# Altium PCB COPY 1.PcbDoc (part 2 of 2)
Units mil, origin at the board's own origin, x right, y up, seen from the top; angles counter-clockwise.
Board outline 15070 x 12950 mil, 2 copper layers (Top Layer, Bottom Layer), stack 21 mil thick; 221 components, 155 nets, 921 pads, 10 vias.
Unrouted connection lines stored in the file: 394.
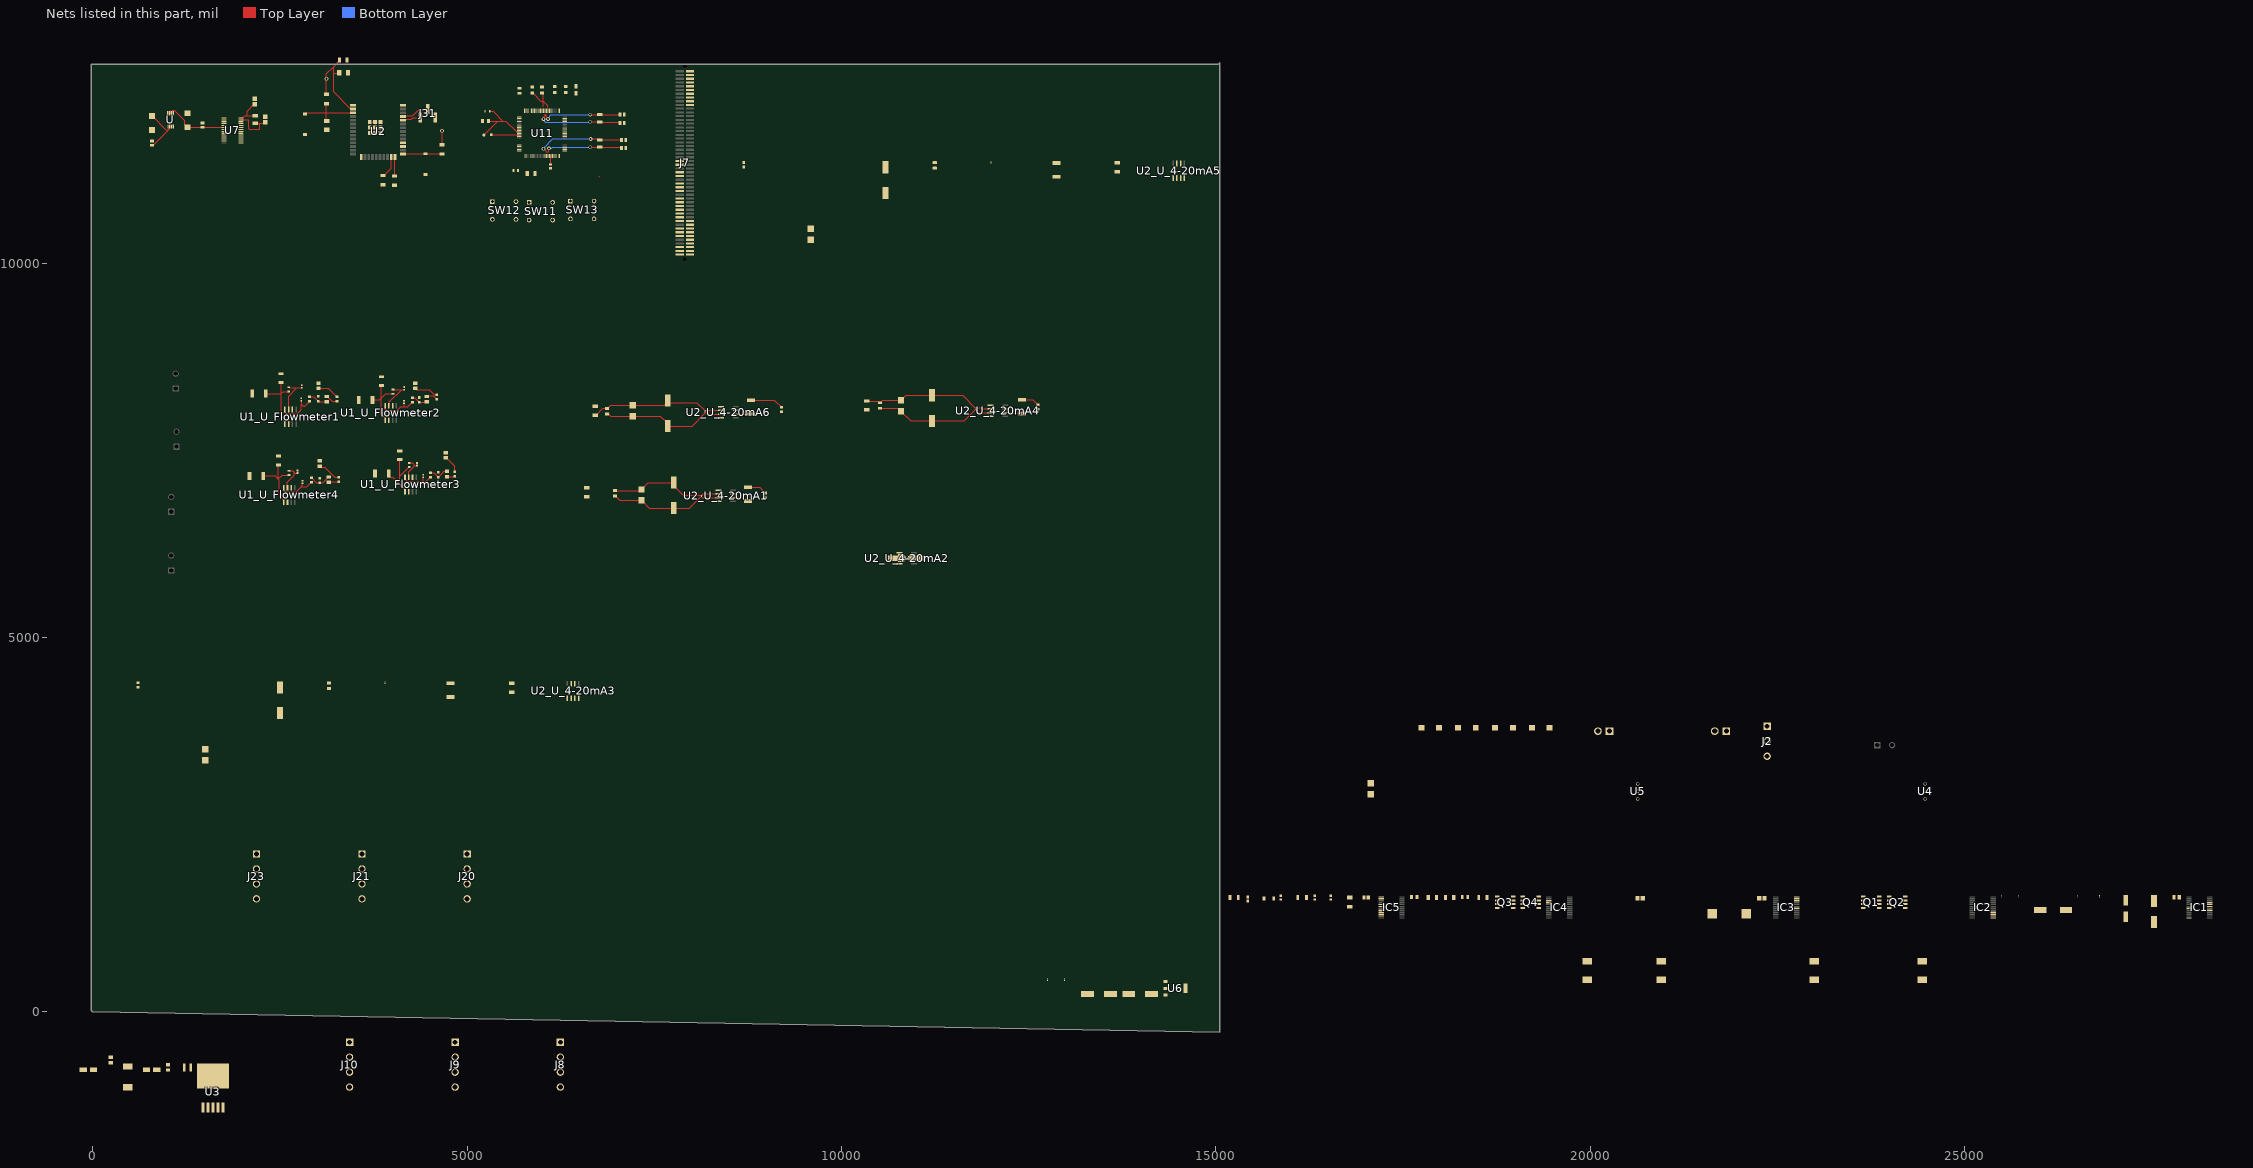
[diagram p2: the nets of this part, all layers, seen from the top]

## Part data (continued)
C5 C6: library part CMP-1037-04202-2, "CAP, Ceramic, 0.1 uF, +/- 10%, 50 V, -55 to 125 degC, 1206 (3216 Metric), RoHS, Tape and Reel", Capacitance=0.1µF, Capacitance Tolerance=±10%, Capacitor Case Style=1206[3216Metric], Dielectric Characteristic=X7R, Manufacturer=Kemet, Operating Temperature Max=125degC, Operating Temperature Min=-55degC, Package Description="2-Leads SMD, Body 3.2 x 1.6 mm", Package Reference=1206-2, Voltage Rating=50V, Datasheet URL=https://datasheet.ciiva.com/6125/1725438-6125494.pdf, Datasheet Version=Jul-13, Manufacturer URL=http://www.kemet.com/, Packaging=Tape&Reel, Product Range=KEMET-CSeries, SVHC=ToBeAdvised
C8: library part CMP-2000-05863-1, "Chip Capacitor, 10 uF, +/- 10%, 25 V, -55 to 85 degC, 1206 (3216 Metric), RoHS, Tape and Reel", Capacitance=10µF, Case Size/Dimension=1206, Dielectric=X5R, Manufacturer=AVX, Package Description="2-Pin Surface Mount Device, Body 3.2 x 1.6 mm", Rated Voltage=25V, Tolerance (%)=±10%, Datasheet URL=http://datasheets.avx.com/cx5r.pdf, Datasheet Version=05/2016, Manufacturer URL=http://www.avx.com/, Mounting Technology=SurfaceMount, Package Reference=1206
C9 C10: "CAP ALUM 47UF 20% 16V SMD", Package="RADIAL-2 Panasonic", Supplier Part Number 1=667-EEE-FN1C470UR, Availability="In Stock", Check_prices=https://www.snapeda.com/parts/EEE-FN1C470UR/Panasonic/view-part/6178044/?ref=eda, MF="Panasonic Electronic Components", MP=EEE-FN1C470UR, Price=None, Purchase-URL=https://pricing.snapeda.com/search/part/EEE-FN1C470UR/?ref=eda, SnapEDA_Link=https://www.snapeda.com/parts/EEE-FN1C470UR/Panasonic/view-part/6178044/?ref=snap, Supplier 1=Mouser
C11: library part CMP-05428-000019-1, "CAP ALUM POLY 22UF 20% 35V SMD", Capacitance=22uF, Case/Package=Radial, ESR (Equivalent Series Resistance)=35mR, Leakage Current=154uA, Max Operating Temperature=105°C, Min Operating Temperature=-55°C, Package Quantity=1000, Ripple Current=2.6A, Tolerance=20%, Voltage=35V, Diameter=6.3mm, Dissipation Factor=12%, Height=5.9mm, Height - Seated (Max)=0.236inch, Length=5.9mm, Life (Hours)=5000Hour, Mount="Surface Mount", Number of Pins=6, Packaging="Tape and Reel", Polarity=Polar, REACH SVHC="No SVHC", Ripple Current (AC)=2.6A, Termination=SMD/SMT, Voltage Rating=35V, Voltage Rating (DC)=35V
C12: library part CMP-05427-000013-1, "CAP ALUM 220UF 20% 25V SMD", Capacitance=220uF, Leakage Current=55uA, Manufacturer=Panasonic, Package=HAF, Ripple Current=160mA, Temperature="-40°C to +105°C", Temperature Range High=+105°C, Temperature Range Low=-40°C, Tolerance=20%, Voltage=25V, Automotive=No, Category=Cap, ComponentLink2Description=Datasheet, ComponentLink2URL=https://industrial.panasonic.com/cdbs/www-data/pdf/RDE0000/ABA0000C1151.pdf, Device Class L1="Passive Components", Device Class L2=Capacitors, Device Class L3="Aluminum Electrolytic Capacitors", Digikey Description="CAP ALUM 220UF 20% 25V SMD", Dissipation Factor=16%, Height=10.5mm, Lead Free=Yes, Life=1000Hours, Manufacturer Part Number=EEE-HA1E221UP, Material=Aluminum, Mouser Description="Aluminum Electrolytic Capacitors - SMD 220UF 25V ELECT HA SMD", Octopart=https://octopart.com/eee-ha1e221up-panasonic-39481261, RoHS=TRUE, Voltage Rating=25V
C13: library part CMP-1037-02486-2, "Chip Capacitor, 1 nF, +/- 10%, 500 V, -55 to 125 degC, 1206 (3216 Metric), RoHS, Tape and Reel", Capacitance=1nF, Case Size/Dimension=1206, Dielectric=X7R, Manufacturer=AVX, Package Description="2-Pin Surface Mount Device, Body 3.2 x 1.6 mm", Rated Voltage=500V, Tolerance (%)=±10%, Datasheet URL=http://datasheets.avx.com/X7RDielectric.pdf, Datasheet Version=07/2016, Manufacturer URL=http://www.avx.com/, Mounting Technology=SurfaceMount, Package Reference=1206
C14 C16 C17 C29 C30 C58 C243 CF5_U_4-20mA1 CF5_U_4-20mA2 CF5_U_4-20mA3 CF5_U_4-20mA4 CF5_U_4-20mA5 CF5_U_4-20mA6: "01005 0.1 uF 6.3 V Â±20% Tolerance X5R SMT Multilayer Ceramic Capacitor", Package="0402 Murata", Supplier Part Number 1=490-7192-1-ND, Availability="In Stock", Check_prices=https://www.snapeda.com/parts/GRM022R60J104ME15L/Murata%20Electronics%20North%20America/view-part/265228/?ref=eda, MF="Murata Electronics", MP=GRM022R60J104ME15L, Price=None, SnapEDA_Link=https://www.snapeda.com/parts/GRM022R60J104ME15L/Murata%20Electronics%20North%20America/view-part/265228/?ref=snap, Supplier 1=Digi-Key
C15 CF6_U_4-20mA1 CF6_U_4-20mA2 CF6_U_4-20mA3 CF6_U_4-20mA4 CF6_U_4-20mA5 CF6_U_4-20mA6: "CAP ALUM 4.7UF 20% 350V SMD", Package="RADIAL-2 Panasonic", Availability="In Stock", Check_prices=https://www.snapeda.com/parts/EEV-EB2V4R7Q/Panasonic%20Electronic%20Components/view-part/3655945/?ref=eda, ComponentLink1Description="New link", MF="Panasonic Electronic Components", MP=EEV-EB2V4R7Q, Price=None, SnapEDA_Link=https://www.snapeda.com/parts/EEV-EB2V4R7Q/Panasonic%20Electronic%20Components/view-part/3655945/?ref=snap
C18 C19: library part CMP-1036-04552-2, "CAP CER 0.22UF 50V X7R 0805", Capacitance="0.22 μF", Manufacturer=KEMET, Package=C0805C-DN, Temperature="-55°C to +125°C", Temperature Characteristic=X7R, Temperature Coefficient=30ppm/°C, Temperature Range High=+125°C, Temperature Range Low=-55°C, Tolerance=0.1, Voltage Rating="50 V", Automotive=No, Category=Cap, ComponentLink2Description=Datasheet, ComponentLink2URL=https://content.kemet.com/datasheets/KEM_C1003_C0G_SMD.pdf, Device Class L1="Passive Components", Device Class L2=Capacitors, Device Class L3="Ceramic Capacitors", Digikey Description="CAP CER 0.22UF 50V X7R 0805", Height=0.88mm, Ipc Land Pattern Name=CAPC200125X78, Lead Free=Yes, Manufacturer Part Number=C0805C224K5RACTU, Material=Ceramic, Mouser Description="CAP CER 0.22UF 50V X7R 0805", Octopart=https://octopart.com/c0805c224k5ractu-kemet-144670, RoHS=TRUE
C20: library part CMP-03020-008221-1, "1206 C 68pF Ceramic Multilayer Capacitor; 50 VDC; +125degC; C0G Dielec; +/-5%", Capacitance="68 pF", Manufacturer=KEMET, Package=C1206C-EB, Temperature="-55°C to +150°C", Temperature Characteristic=C0G, Temperature Coefficient=15%, Temperature Range High=+150°C, Temperature Range Low=-55°C, Tolerance=0.05, Voltage Rating="50 V", Automotive=Yes, Automotive Grade="Grade 0", Category=Cap, ComponentLink2Description=Datasheet, ComponentLink2URL=https://content.kemet.com/datasheets/KEM_C1007_X8R_ULTRA_150C_SMD.pdf, Device Class L1="Passive Components", Device Class L2=Capacitors, Device Class L3="Ceramic Capacitors", Digikey Description="1206 C 68pF Ceramic Multilayer Capacitor; 50 VDC; +125degC; C0G Dielec; +/-5%", Height=0.88mm, Ipc Land Pattern Name=CAPC320160X78, Lead Free=Yes, Manufacturer Part Number=C1206C680J5GACTU, Material=Ceramic, Mouser Description="1206 C 68pF Ceramic Multilayer Capacitor; 50 VDC; +125degC; C0G Dielec; +/-5%", Octopart=https://octopart.com/c1206c680j5gactu-kemet-138975, RoHS=TRUE
C21: library part CMP-1036-04064-2, "CAP CER 0.022UF 50V X7R 0805", Capacitance="22 nF", Manufacturer=Yageo, Package=CC0805-0.85, Temperature="-30°C to +85°C", Temperature Characteristic=X7R, Temperature Range High=+85°C, Temperature Range Low=-30°C, Tolerance=0.1, Voltage Rating="50 V", Automotive=No, Category=Cap, ComponentLink2Description=Datasheet, ComponentLink2URL=http://www.yageo.com/documents/recent/UPY-GPHC_Y5V_6.3V-to-50V_8.pdf, Device Class L1="Passive Components", Device Class L2=Capacitors, Device Class L3="Ceramic Capacitors", Digikey Description="CAP CER 0.022UF 50V X7R 0805", Footprint Url=http://www.yageo.com/exep/pages/download/literatures/UPY-C_GEN_24.pdf, Height=0.95mm, Ipc Land Pattern Name=CAPC200125X85, Lead Free=Yes, Manufacturer Part Number=CC0805KRX7R9BB223, Material=Ceramic, Mouser Description="Multilayer Ceramic Capacitors MLCC - SMD/SMT 22nF 50V X7R 10%", Octopart=https://octopart.com/cc0805krx7r9bb223-yageo-39467761, RoHS=TRUE
C22: library part CMP-03020-017724-1, "CAP CER 47PF 50V C0G/NP0 1206", Capacitance="47 pF", Manufacturer=KEMET, Package=C1206C-EB, Temperature="-55°C to +150°C", Temperature Characteristic=C0G, Temperature Coefficient=15%, Temperature Range High=+150°C, Temperature Range Low=-55°C, Tolerance=0.05, Voltage Rating="50 V", Automotive=Yes, Automotive Grade="Grade 0", Category=Cap, ComponentLink2Description=Datasheet, ComponentLink2URL=https://content.kemet.com/datasheets/KEM_C1007_X8R_ULTRA_150C_SMD.pdf, Device Class L1="Passive Components", Device Class L2=Capacitors, Device Class L3="Ceramic Capacitors", Digikey Description="CAP CER 47PF 50V C0G/NP0 1206", Height=0.88mm, Ipc Land Pattern Name=CAPC320160X78, Lead Free=Yes, Manufacturer Part Number=C1206C470J5GACTU, Material=Ceramic, Mouser Description="Multilayer Ceramic Capacitors MLCC - SMD/SMT 50volts 47pF C0G 5%", Octopart=https://octopart.com/c1206c470j5gactu-kemet-96509, RoHS=TRUE
C23: library part CMP-2100-03600-2, "CAP CER 10000PF 50V X7R 0603", Capacitance="10 nF", Manufacturer=YAGEO, Package=CC0603-DA, Temperature="-55°C to +125°C", Temperature Characteristic=X7R, Temperature Coefficient=15%, Temperature Range High=+125°C, Temperature Range Low=-55°C, Tolerance=0.1, Voltage="50 V", Automotive=No, Category=Cap, ComponentLink2Description=Datasheet, ComponentLink2URL=http://www.yageo.com/documents/recent/UPY-GPHC_X7R_6.3V-to-50V_18.pdf, Device Class L1="Passive Components", Device Class L2=Capacitors, Device Class L3="Ceramic Capacitors", Digikey Description="CAP CER 10000PF 50V X7R 0603", Footprint Url=http://www.yageo.com/exep/pages/download/literatures/UPY-C_GEN_24.pdf, Height=0.9mm, Lead Free=Yes, Manufacturer Part Number=CC0603KRX7R9BB103, Material=Ceramic, Mouser Description="Multilayer Ceramic Capacitor, CC Series, 0.01 - F, - 10%, X7R, 50 V, 0603 [1608 Metric]", Octopart=https://octopart.com/cc0603krx7r9bb103-yageo-192938, RoHS=TRUE, Voltage Rating="50 V"
C24 C25 C26 C27: "CAP ALUM 1000UF 20% 6.3V SMD", Package="RADIAL-2 Panasonic", Supplier Part Number 1=667-EEE-FK0J102AV, Availability="In Stock", Check_prices=https://www.snapeda.com/parts/EEEFK0J102AV/Panasonic/view-part/5793315/?ref=eda, MF=Panasonic, MP=EEEFK0J102AV, Price=None, Purchase-URL=https://pricing.snapeda.com/search/part/EEEFK0J102AV/?ref=eda, SnapEDA_Link=https://www.snapeda.com/parts/EEEFK0J102AV/Panasonic/view-part/5793315/?ref=snap, Supplier 1=Mouser
C28 C45: library part CMP-2000-06200-1, "Aluminum Electrolytic Capacitor, 220 uF, +/- 20%, 50 V, -40 to 85 degC, 2-Pin SMD, RoHS, Tape and Reel", AE Capacitor Case=RadialCan-SMD, Capacitance=220µF, Capacitance Tolerance=±20%, Life Time @ Temperature=2000hours@85°C, Manufacturer=Panasonic, Operating Temperature Max=85°C, Operating Temperature Min=-40°C, Package Description="2-Pin Surface Mount Device, Body 10.3 x 10.3 mm", Package Reference=SMD, Ripple Current AC=300mA, Voltage Rating=50V, Capacitance Tolerance ±=±20%, Capacitor Case Style=RadialCan-SMD, Datasheet URL=http://datasheet.octopart.com/EEE-1HA221P-Panasonic-datasheet-13265900.pdf, Datasheet Version=11/2012, Diameter=10mm, Height=10.2mm, Lifetime @ Temperature=2000hours@85°C, Manufacturer URL=http://www.panasonic.com/, Mounting Technology=SurfaceMount, Packaging=CutTape, Product Range=PANASONIC-SSeries, SVHC=ToBeAdvised
"CA1 12pF" "CA2 12pF": library part CMP-2007-04500-1, Manufacturer="AVX Interconnect / Elco", Part Number=08055A120JAT2A
"CA3 47uF" "CA6 47uF": library part CMP-03017-000042-1, "CAP TANT 47UF 10% 16V 2312", Capacitance=47uF, Case Code (Imperial)=2312, Case Code (Metric)=6032, Case/Package=Molded, Dielectric Material=Tantalum, ESR (Equivalent Series Resistance)=1.2R, Leakage Current=7.5uA, Max Operating Temperature=125°C, Min Operating Temperature=-55°C, Package Quantity=1, Ripple Current=303mA, Tolerance=20%, Voltage=6V, Voltage Rating=16V, Depth=3.2mm, Dissipation Factor=6%, Failure Rate=0.001%, Features="General Purpose", Height=2.5mm, Height - Seated (Max)=0.11inch, Lead Free="Lead Free", Length=6mm, Life (Hours)=2000Hour, Mount="Surface Mount", Number of Pins=2, Packaging="Tape and Reel", Polarity=Polar, Radiation Hardening=No, REACH SVHC="No SVHC", RoHS Compliant=Yes, Termination=SMD/SMT, Voltage Rating (DC)=16V, Width=3.2mm
"CA4 .1uF" "CA5 .1uF": library part CMP-2007-00279-2, "CAP CER 0.1UF 50V X7R 0805", Capacitance="0.10 μF", Manufacturer=KEMET, Package=C0805C-DN, Temperature="-55°C to +125°C", Temperature Characteristic=X7R, Temperature Coefficient=30ppm/°C, Temperature Range High=+125°C, Temperature Range Low=-55°C, Tolerance=0.1, Voltage Rating="50 V", Automotive=No, Category=Cap, ComponentLink2Description=Datasheet, ComponentLink2URL=https://content.kemet.com/datasheets/KEM_C1003_C0G_SMD.pdf, Device Class L1="Passive Components", Device Class L2=Capacitors, Device Class L3="Ceramic Capacitors", Digikey Description="CAP CER 0.1UF 50V X7R 0805", Height=0.88mm, Ipc Land Pattern Name=CAPC200125X78, Lead Free=Yes, Manufacturer Part Number=C0805C104K5RACTU, Material=Ceramic, Mouser Description="Cap Ceramic 0.1uF 50V X7R 10% SMD 2.0 x 1.2 mm 125 C Paper T/R", Octopart=https://octopart.com/c0805c104k5ractu-kemet-143926, RoHS=TRUE
CF1_U_Flowmeter1 CF1_U_Flowmeter2 CF1_U_Flowmeter3 CF1_U_Flowmeter4 CF3_U_Flowmeter1 CF3_U_Flowmeter2 CF3_U_Flowmeter3 CF3_U_Flowmeter4: "0805 10 uF 6.3 V Â±20 % Tolerance X7R SMT Multilayer Ceramic Capacitor", Package=None, Supplier Part Number 1=581-08056C106MAT2A, Availability=Unavailable, MP=08056C106MAT2A, Price=None, Supplier 1=Mouser
CF2_U_Flowmeter1 CF2_U_Flowmeter2 CF2_U_Flowmeter3 CF2_U_Flowmeter4: "High Reliability - Autograde Plus+, Reel Size: 7\" (180mm)", Package=None, Supplier Part Number 1=810-CGJ2B2X7R1C222K, Availability=Unavailable, MP=CGJ2B2X7R1C222K050BA, Price=None, Supplier 1=Mouser
CF7_U_4-20mA1 CF7_U_4-20mA2 CF7_U_4-20mA3 CF7_U_4-20mA4 CF7_U_4-20mA5 CF7_U_4-20mA6: "0603 1 uF 16 V Â±10% Tolerance X7R Automotive Multilayer Ceramic Capacitor", Package="1608 Murata", Supplier Part Number 1=81-GCM188R71C105KA4J, Availability="In Stock", Check_prices=https://www.snapeda.com/parts/GCM188R71C105KA64J/Murata%20Electronics%20North%20America/view-part/1755583/?ref=eda, MF=Murata, MP=GCM188R71C105KA64J, Price=None, SnapEDA_Link=https://www.snapeda.com/parts/GCM188R71C105KA64J/Murata%20Electronics%20North%20America/view-part/1755583/?ref=snap, Supplier 1=Mouser
CH11 CH12 CL21 CL22: library part CMP-2007-00448-2, "CAP CER 22PF 100V 5% NP0 0805", Capacitance="22 pF", Manufacturer=KEMET, Package=C0805C-DN, Temperature="-55°C to +125°C", Temperature Characteristic=C0G, Temperature Coefficient=30ppm/°C, Temperature Range High=+125°C, Temperature Range Low=-55°C, Tolerance=0.05, Voltage Rating="100 V", Automotive=No, Category=Cap, ComponentLink2Description=Datasheet, ComponentLink2URL=https://content.kemet.com/datasheets/KEM_C1003_C0G_SMD.pdf, Device Class L1="Passive Components", Device Class L2=Capacitors, Device Class L3="Ceramic Capacitors", Digikey Description="CAP CER 22PF 100V 5% NP0 0805", Height=0.88mm, Ipc Land Pattern Name=CAPC200125X78, Lead Free=Yes, Manufacturer Part Number=C0805C220J1GACTU, Material=Ceramic, Mouser Description="Multilayer Ceramic Capacitor, C Series, 22 Pf, - 5%, C0g / Np0, 100 V, 0805 [2012 Metric] Rohs Compliant: Yes", Octopart=https://octopart.com/c0805c220j1gactu-kemet-3791395, RoHS=TRUE
CR2 CR3 CR4 CR5 U4 U5: "No Description Available", Mfr_Name=Vishay, Copyright="Copyright (C) 2021 Ultra Librarian. All rights reserved.", RefDes=RefDes, Type=DEV
  CR2 CR3 CR4 CR5: Manufacturer_Part_Number=SS34-E3/9AT
  U4 U5: Manufacturer_Part_Number=VF30100S-M3/4W
CR6: "No Description Available", Mfr_Name="Littelfuse Inc", Copyright="Copyright (C) 2021 Ultra Librarian. All rights reserved.", Manufacturer_Part_Number=1KSMB39CA, RefDes=RefDes, Type=DEV
CRF1_U_4-20mA1 CRF1_U_4-20mA2 CRF1_U_4-20mA3 CRF1_U_4-20mA4 CRF1_U_4-20mA5 CRF1_U_4-20mA6: "No Description Available", Mfr_Name="Littelfuse Inc", Supplier Part Number 1=F11451CT-ND, Copyright="Copyright (C) 2021 Ultra Librarian. All rights reserved.", Digi-Key_Part_Number_1=1KSMB39CA-ND, Digi-Key_Part_Number_2=F11451CT-ND, Digi-Key_Part_Number_3=F11451DKR-ND, Digi-Key_Part_Number_4=F11451TR-ND, Manufacturer_Part_Number=1KSMB39CA, RefDes=RefDes, Supplier 1=Digi-Key, Type=DEV
CU10: library part CMP-2006-00210-1, Manufacturer="AVX Interconnect / Elco", Part Number=TPCL475K010R5000
D1: "Schottky Diode", Arrow Part Number=SS34-E3/57T, Manufacturer_Name=Vishay, Mouser Part Number=625-SS34-E3, Supplier Part Number 1=SS34-E3/57TGICT-ND, Arrow Price/Stock=https://www.arrow.com/en/products/ss34-e357t/vishay, Datasheet Link=https://www.vishay.com/docs/88751/ss32.pdf, Height=2.62mm, Manufacturer_Part_Number=SS34-E3/57T, Mouser Price/Stock=https://www.mouser.co.uk/ProductDetail/Vishay-General-Semiconductor/SS34-E3-57T?qs=x2jpVgRnAtMC3f38kYWnRw%3D%3D, Supplier 1=Digi-Key
D2: library part CMP-1060-00416-1, "Zener Voltage Regulator, 500 mW, 2-Pin SOD-123, Pb-Free, Tape and Reel", Manufacturer="On Semiconductor", ComponentLink1Description="Manufacturer URL", ComponentLink1URL=http://www.onsemi.com/, ComponentLink2Description=Datasheet, ComponentLink2URL=http://www.onsemi.com/pub_link/Collateral/MMSZ4678T1-D.PDF, ComponentLink3Description="Package Specification", ComponentLink3URL=http://www.onsemi.com/pub_link/Collateral/425-04.PDF, DatasheetVersion="Rev. 9", Mounting Technology="Surface Mount", P Max (W)=0.5, PackageDescription="2-Pin SOD, Body 1.6 x 2.69 mm", PackageReference=SOD-123-2-425-04, PackageVersion="Rev. G, 10/2009", Packing="Tape and Reel", PartNumber=MMSZ4689T1G, RoHS=Pb-Free, VZ Typ (V)=5.1
F1_U_4-20mA1 F1_U_4-20mA2 F1_U_4-20mA3 F1_U_4-20mA4 F1_U_4-20mA5 F1_U_4-20mA6: "Fuse", Manufacturer_Name="Bel Circuit Protection", Supplier Part Number 1=530-0ZCJ0005FF2E, Arrow Part Number=0ZCJ0005FF2E, Arrow Price/Stock=https://www.arrow.com/en/products/0zcj0005ff2e/bel-group, Datasheet Link=https://www.belfuse.com/resources/datasheets/circuitprotection/ds-cp-0zcj-series.pdf, Height=0.85mm, Manufacturer_Part_Number=0ZCJ0005FF2E, Supplier 1=Mouser
IC1 IC2 IC3 IC4 IC5: "Integrated Circuit", Manufacturer_Name="Linear Technology", Mouser Part Number=584-LTC3780EG#PBF, Arrow Part Number=LTC3780EG#PBF, Arrow Price/Stock=https://www.arrow.com/en/products/ltc3780egpbf/linear-technology, Datasheet Link=https://datasheet.datasheetarchive.com/originals/distributors/Datasheets-SFU1/DSASFU10009110.pdf, Height=2mm, Manufacturer_Part_Number=LTC3780EG#PBF, Mouser Price/Stock=https://www.mouser.co.uk/ProductDetail/Analog-Devices-Linear-Technology/LTC3780EGPBF?qs=hVkxg5c3xu%252BOBZugU8NO3w%3D%3D
J J4 J5 J6 "JP 1": "2 Position Terminal Block Header, Male Pins, Shrouded _4 Side_ 0.200 _5.08mm_ 90Â°, Right Angle Through Hole", Package=None, Supplier Part Number 1=651-1757242, Digi-Key_Part_Number=277-1106-ND, Digi-Key_Purchase_URL=https://www.digikey.ch/product-detail/en/phoenix-contact/1757242/277-1106-ND/260474?utm_source=snapeda&utm_medium=aggregator&utm_campaign=symbol, MF="Phoenix Contact", MP=1757242, SnapEDA_Link=https://www.snapeda.com/parts/1757242/Phoenix%20Contact/view-part/228512/?ref=snap, Supplier 1=Mouser
J1 J3: "Connector", Manufacturer_Name=Molex, Mouser Part Number=538-26-48-1025, Supplier Part Number 1=WM50008-02-ND, Datasheet Link=https://www.molex.com/pdm_docs/sd/026481025_sd.pdf, Height=14.68mm, Manufacturer_Part_Number=26-48-1025, Mouser Price/Stock=https://www.mouser.co.uk/ProductDetail/Molex/26-48-1025?qs=Vtbn2VVmZzHbNAFdpV%2FLOg%3D%3D, Supplier 1=Digi-Key
J2: "Connector", Manufacturer_Name="Phoenix Contact", Mouser Part Number=651-1757255, Arrow Part Number=1757255, Arrow Price/Stock=https://www.arrow.com/en/products/1757255/phoenix-contact?region=nac, Datasheet Link=https://datasheet.datasheetarchive.com/originals/distributors/SFDatasheet-2/sf-00051650.pdf, Height=8.75mm, Manufacturer_Part_Number=1757255, Mouser Price/Stock=https://www.mouser.co.uk/ProductDetail/Phoenix-Contact/1757255?qs=uD%2FdkN7XIa0ez8xszzicKg%3D%3D, Supplier 1=Mouser, Supplier Part Number 1=651-1757255
J7: "Connector Header Surface Mount 100 position 0.050 (1.27mm)", Package=None, Availability="In Stock", Check_prices=https://www.snapeda.com/parts/TFM-150-22-L-D-A/Samtec/view-part/?ref=eda, MF=Samtec, MP=TFM-150-22-L-D-A, Price=None, Purchase-URL=https://pricing.snapeda.com/search/part/TFM-150-22-L-D-A/?ref=eda, SnapEDA_Link=https://www.snapeda.com/parts/TFM-150-22-L-D-A/Samtec/view-part/?ref=snap
J8 J9 J10 J20 J21 J23: "Connector", Manufacturer_Name="Phoenix Contact", Mouser Part Number=651-1757268, Arrow Part Number=1757268, Arrow Price/Stock=https://www.arrow.com/en/products/1757268/phoenix-contact?region=nac, Datasheet Link=https://datasheet.datasheetarchive.com/originals/distributors/SFDatasheet-2/sf-00051651.pdf, Height=8.75mm, Manufacturer_Part_Number=1757268, Mouser Price/Stock=https://www.mouser.co.uk/ProductDetail/Phoenix-Contact/1757268?qs=uD%2FdkN7XIa2BicmSj3mD7g%3D%3D, Supplier 1=Mouser, Supplier Part Number 1=651-1757268
J31: Package=None, Availability=Unavailable, MF=Samtec, MP=TSM-103-01-T-SV-P-TR, Price=None
L1: "FIXED IND 10UH 1280MA POWRTRNAUT", Package=None, Supplier Part Number 1=81-LQH3NPH101MMEL, Availability=Unavailable, MP=LQH3NPH101MMEL, Price=None, Supplier 1=Mouser
L2: library part CMP-02424-000578-1, "Commercial Inductors, High Saturation Series 4.7uH 10A 15mΩ 20%", Case/Package=5050, Current Rating=10A, DC Resistance (DCR)=15mR, Inductance=4.7uH, Inductance Tolerance=20%, Max Operating Temperature=125°C, Min Operating Temperature=-55°C, Package Quantity=500, Saturation Current=24A, Self Resonant Frequency=5MHz, Test Frequency=100kHz, Core Material=Metal, Depth=12.9mm, Height=3.5mm, Height - Seated (Max)=0.138inch, Lead Free="Lead Free", Length=13.2mm, Max DC Current=10A, Military Standard=Not, Mount="Surface Mount", Number of Pins=5050, Packaging="Tape and Reel", Radiation Hardening=No, RMS Current (Irms)=10A, Shielding=Shielded, Termination=SMD/SMT, Tolerance=20%, Width=0.508inch
"L VSW": library part CMP-06042-008286-2, "Wire Wound Ferrite Inductor for General Circuits 4.7μH ±10% 1.2Ω 270mA 1210", Case Code (Imperial)=1210, Case Code (Metric)=3225, Current Rating=270mA, DC Resistance (DCR)=1.2R, Frequency=31MHz, Inductance=4.7uH, Inductance Tolerance=10%, Inductor Type=Wirewound, Max Operating Temperature=85°C, Min Operating Temperature=-25°C, Package Quantity=1, Test Frequency=1MHz, Case/Package=1210, Core Material=Ferrite, DC Current=270mA, Depth=2.7mm, Height=2mm, Height - Seated (Max)=0.087inch, Lead Free="Lead Free", Length=3.2mm, Max DC Current=270mA, Military Standard=Not, Mount="Surface Mount", Number of Pins=2, Packaging="Tape and Reel", Q Factor=20, Radiation Hardening=No, Rated Current-Max=270mA, REACH SVHC="No SVHC", Resistor Type=Wirewound, Self Resonant Frequency=31MHz, Series=LQH32M, Series Resistance=1.2R, Shielding=Unshielded, Termination=SMD/SMT, Tolerance=10%, Weight=0.000564oz, Width=2.5mm
PLUG29: "Plug, Terminal Block; 12 A; 250 V; 5.08 mm; 3 position, screw, Pre-Printed", Color=Green, Current=15A, Current Rating=12A, Flammability Rating="UL94 V-0", Manufacturer="Phoenix Contact", Package Quantity=50, Supplier Part Number 1=277-1965-ND, Voltage=300V, Voltage Rating=250V, Category="Terminal Blocks", ComponentLink1Description=https://datasheet.ciiva.com/795/1762208-795480.pdf?src-supplier=Digi-Key, ComponentLink1URL=https://datasheet.ciiva.com/795/1762208-795480.pdf?src-supplier=Digi-Key, ComponentLink2Description=https://datasheet.ciiva.com/3970/1762208-3970503.pdf?src-supplier=Arrow+Electronics, ComponentLink2URL=https://datasheet.ciiva.com/3970/1762208-3970503.pdf?src-supplier=Arrow+Electronics, ComponentLink3Description=https://datasheet.ciiva.com/16071/1762208-16071547.pdf?src-supplier=Onlinecomponents.com, ComponentLink3URL=https://datasheet.ciiva.com/16071/1762208-16071547.pdf?src-supplier=Onlinecomponents.com, ComponentLink4Description=https://datasheet.ciiva.com/14608/70055301-14608154.pdf?src-supplier=Allied+Electronics, ComponentLink4URL=https://datasheet.ciiva.com/14608/70055301-14608154.pdf?src-supplier=Allied+Electronics, ComponentLink5Description=https://datasheet.ciiva.com/29219/567120-da-01-en-steckerteil-1762208-50-st-29219722.pdf?src-supplier=Conrad, ComponentLink5URL=https://datasheet.ciiva.com/29219/567120-da-01-en-steckerteil-1762208-50-st-29219722.pdf?src-supplier=Conrad, Connector Type=Screw, Contact Material=Tin, Contact Plating=Tin, Gender=Female, Height=15.24mm, Housing Color=Green, Housing Material=Plastic, Length=15mm, Manufacturer Part Number=1762208, Material=Polyamide, Max Current Rating=12A, Mount="Free Hanging,Plug-In,Cable", Number of Circuits=3, Number of Contacts=3, Number of Levels=1, Number of Poles=3, Number of Positions=3, Number of Positions Per Level=3, Number of Rows=1, Orientation="Right Angle", Packaging=Bulk, Pitch=5.08mm, Pricing 1="1=3.21000, 10=3.12400, 50=2.92000, 100=2.68640, 250=2.48200, 500=2.36520, 1000=2.24840 (USD)", RoHS=Yes, RoHS Compliant=Yes, Series="COMBICON MSTB", Stock 1=761, Stripping Length=7mm, Supplier 1=Digi-Key, Termination=Screw, Weight=0.190479oz, Width=10.16mm, Wire Gauge (Max)=30AWG, Wire Gauge (Min)=12AWG
Q1 Q2 Q3 Q4: "MOSFET (N-Channel)", Manufacturer_Name="ON Semiconductor", Mouser Part Number=512-FDS5670, Arrow Part Number=FDS5670, Arrow Price/Stock=https://www.arrow.com/en/products/fds5670/on-semiconductor, Datasheet Link=https://eagle.componentsearchengine.com/Datasheets/2/FDS5670.pdf, Height=1.75mm, Manufacturer_Part_Number=FDS5670, Mouser Price/Stock=https://www.mouser.com/Search/Refine.aspx?Keyword=512-FDS5670
R1 R2 R3 R4: library part CMP-03211-008372-1, "Res Thin Film 1206 10KΩ 0.1% 0.25W 15ppm/°C Molded SMD", Manufacturer="TE Connectivity", Package=RP732B, Power Rating=0.25W, Resistance=10KΩ, Temperature="-55°C to 155°C", Temperature Coefficient=15ppm/°C, Temperature Range High=155°C, Temperature Range Low=-55°C, Tolerance=0.1%, Voltage Rating=200V, Automotive=No, Category=Res, ComponentLink2Description=Datasheet, ComponentLink2URL=https://www.te.com/commerce/DocumentDelivery/DDEController?Action=showdoc&DocId=Data+Sheet%7F1773272%7FL%7Fpdf%7FEnglish%7FENG_DS_1773272_L.pdf%7F8-1879255-6, Composition="Thin Film", Device Class L1="Passive Components", Device Class L2=Resistors, Device Class L3="Chip SMD Resistors", Height=0.65mm, Ipc Land Pattern Name=RESC305155X55, Lead Free=Yes, Manufacturer Part Number=RP73D2B10KBTG, Octopart=https://octopart.com/rp73d2b10kbtg-te+connectivity-42012630, octopart_url=https://octopart.com/rp73d2b10kbtg-te+connectivity-42012630, Packaging="250 cut tape length", RoHS=TRUE, Series=RP73
R6: library part CMP-2000-03379-2, "RES Thick Film, 47kΩ, 1%, 0.1W, 100ppm/°C, 0603", Case Code (Imperial)=0603, Case Code (Metric)=1608, Max Operating Temperature=155°C, Min Operating Temperature=-55°C, Package Quantity=5000, Power Rating=100mW, Resistance=47kR, Temperature Coefficient=100ppm/°C, Tolerance=1%, Voltage Rating=75V, Case/Package=0603, Composition="Thick Film", Contact Plating=Tin, Depth=0.85mm, Height=0.45mm, Lead Free="Lead Free", Length=1.55mm, Military Standard=Not, Mount="Surface Mount", Packaging="Tape and Reel", Radiation Hardening=No, Termination=SMD/SMT, Voltage Rating (DC)=75V, Weight=7.1E-05oz, Width=0.85mm
R9: library part CMP-1013-00284-2, Manufacturer=Panasonic, Part Number=ERJ-6ENF10R0V
R10 R11: library part CMP-2003-00769-1, Manufacturer=Panasonic, Part Number=ERJ8BWFR018V
R12: library part CMP-2003-02025-1, Manufacturer="Vishay Dale", Part Number=CRCW1206294KFKEA
R13 R14 R16: library part CMP-1012-00623-3, "Chip Resistor, 10 KOhm, +/- 1%, 0.1 W, -55 to 155 degC, 0603 (1608 Metric), RoHS, Tape and Reel", Case Code (Imperial)=0603, Case Code (Metric)=1608, Manufacturer=Panasonic, Max Operating Temperature=155degC, Max Power Dissipation=100mW, Min Operating Temperature=-55degC, Package Description="2-Pin Surface Mount Device, Body 1.6 x 0.85 mm", Package Quantity=1, Package Reference=603, Resistance=10KOhm, Temperature Coefficient=100ppm\/degreesC, Tolerance=1%, Voltage Rating=75V, Case\/Package=0603, Composition=ThickFilm, Contact Plating=Tin, Datasheet URL=https://industrial.panasonic.com/cdbs/www-data/pdf/RDA0000/AOA0000C304.pdf, Datasheet Version=02/2017, Depth=0.8mm, Height=0.45mm, Lead Free=LeadFree, Length=1.6mm, Manufacturer URL=http://www.panasonic.com/, Military Standard=Not, Mount=SurfaceMount, Mounting Technology=SurfaceMount, Number of Pins=2, Number of Terminations=2, Packaging=TapeandReel, Power Rating=100mW, Radiation Hardening=No, REACH SVHC=NoSVHC, RoHSCompliant=true, Termination=SMD/SMT, Voltage Rating (DC)=75V, Width=0.031inch
R15 RF1_U_Flowmeter1 RF1_U_Flowmeter2 RF1_U_Flowmeter3 RF1_U_Flowmeter4: "Carbon film resistor 100 kâ„", Package=None, Supplier Part Number 1=311-100KERCT-ND, Availability=Unavailable, MP=RC1206JR-07100KL, Price=None, Supplier 1=Digi-Key